# Altium PCB roach2.PcbDoc (part 9 of 39) (continued)
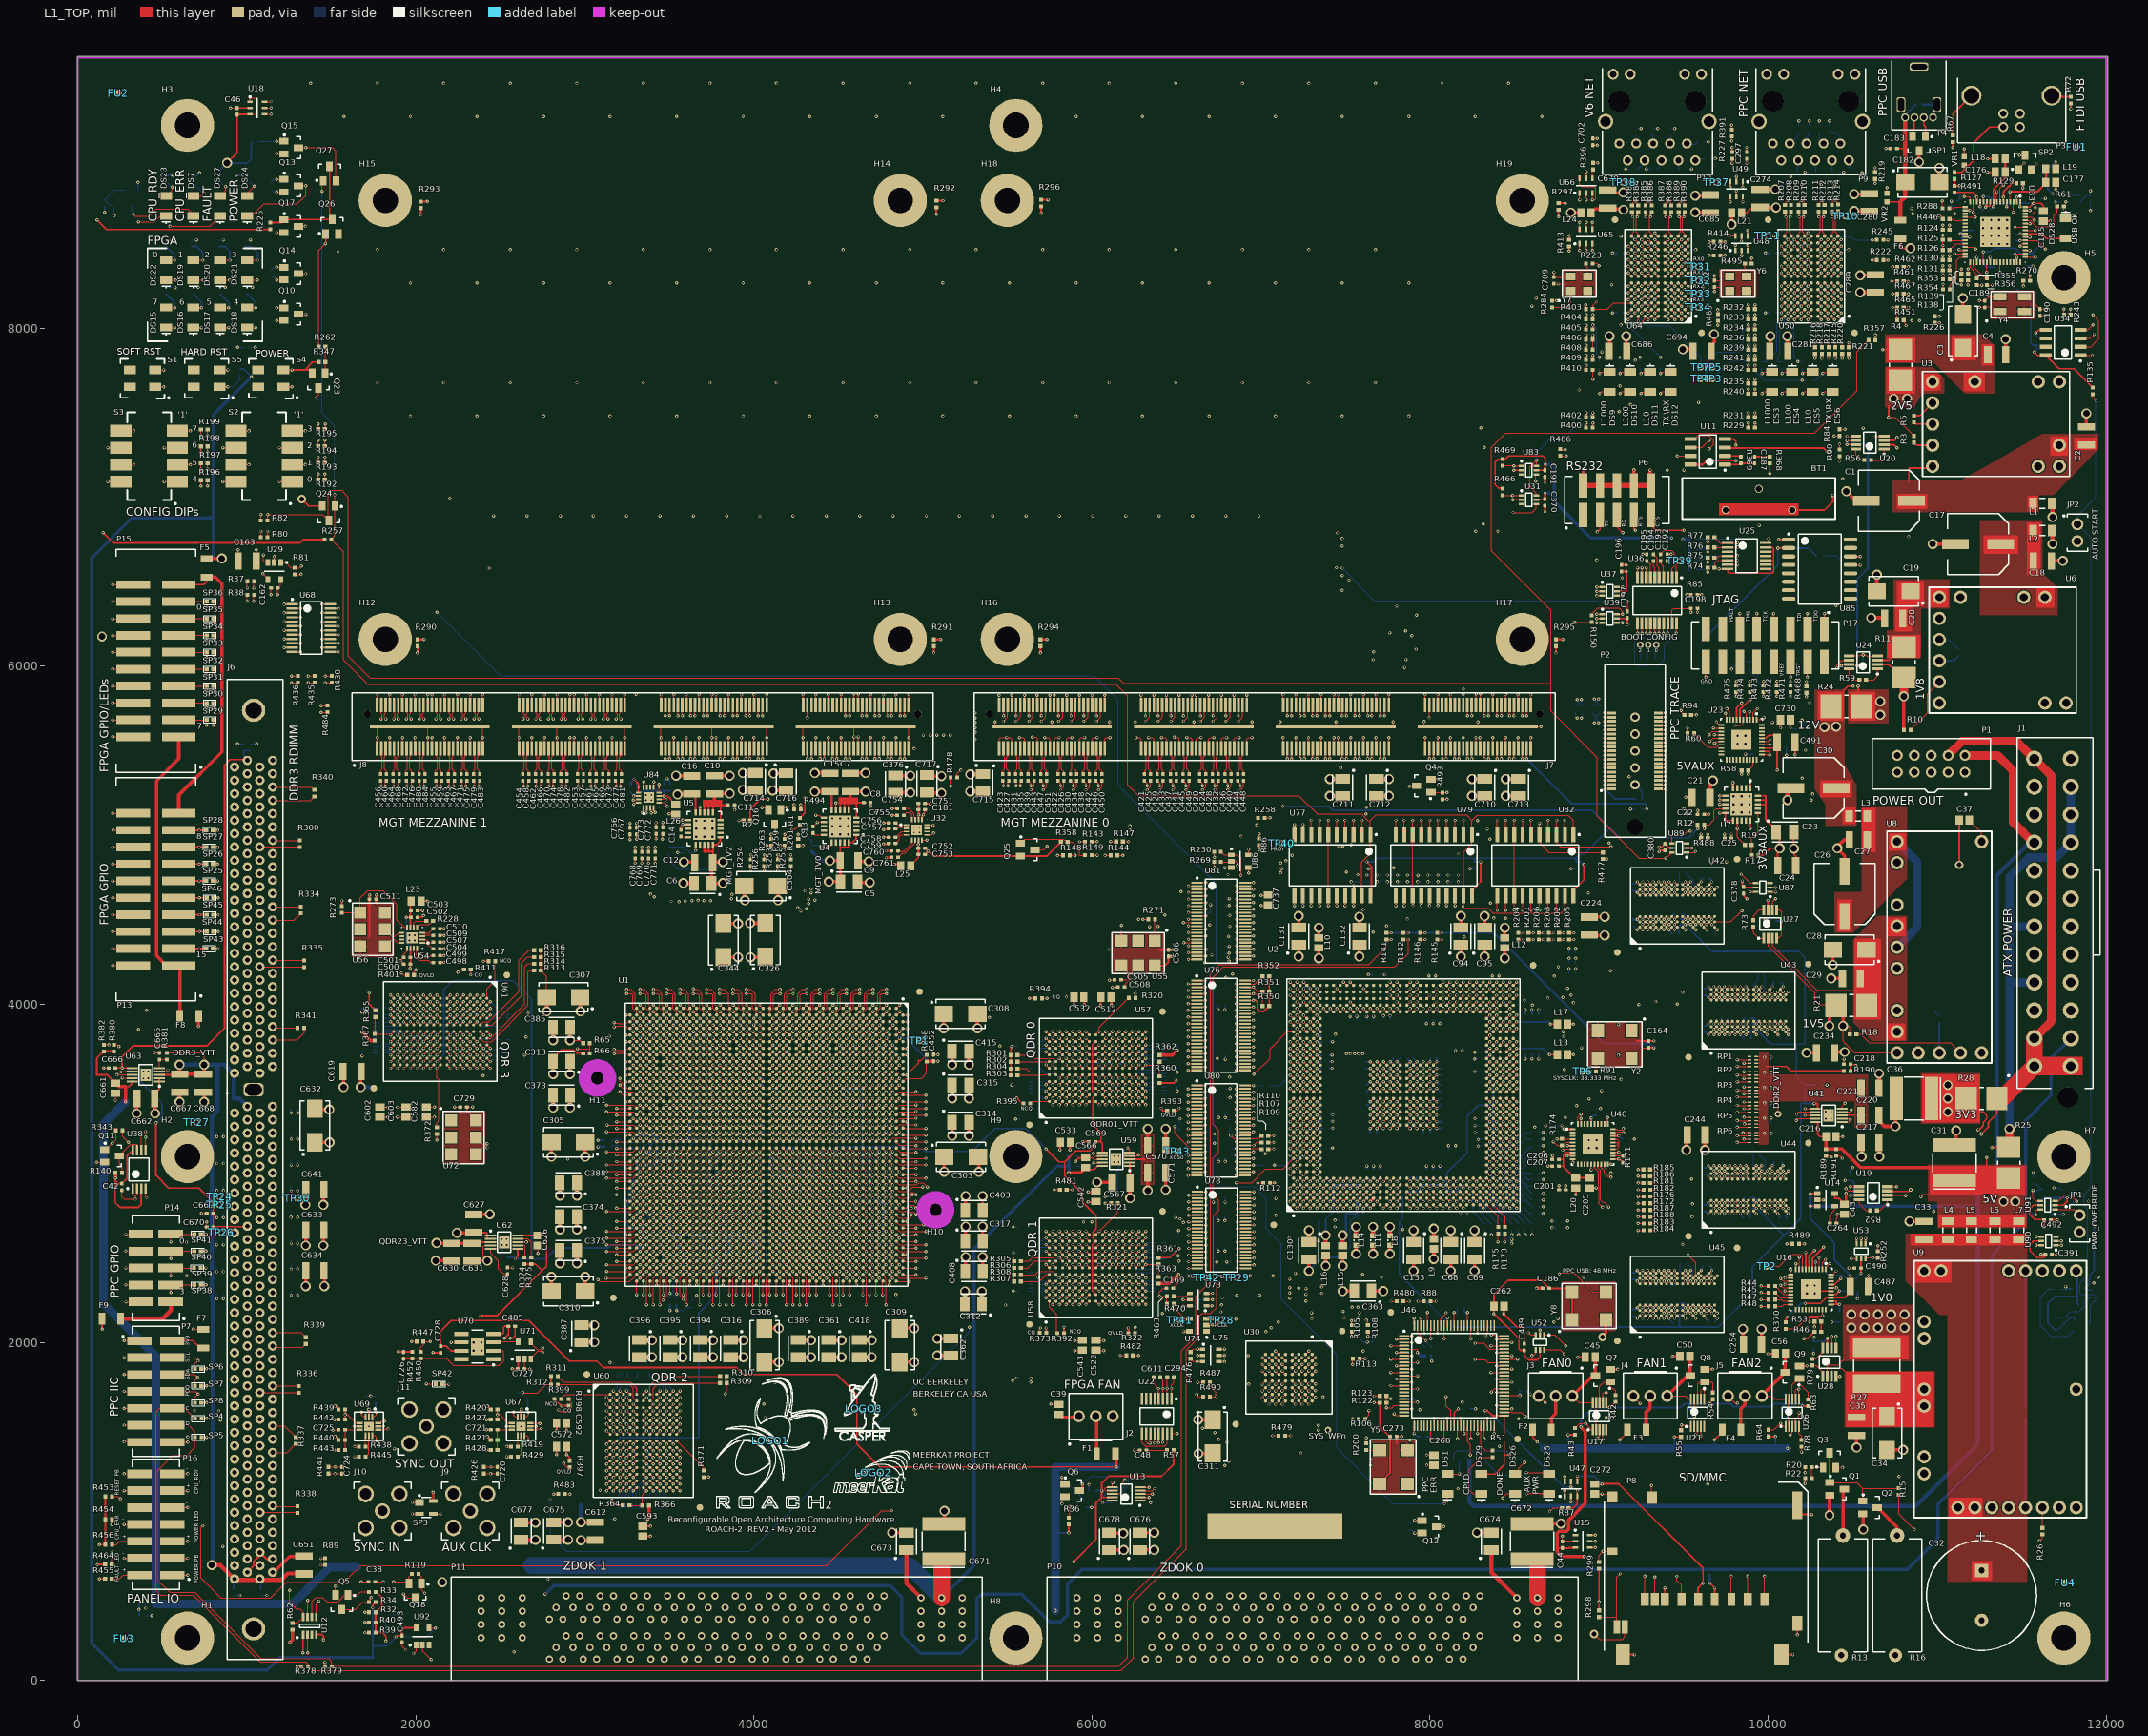
[diagram p0: L1_TOP view]
## Nets (pads, with @x,y where several pads share a name; then routed paths per layer and width w, separated by ;. In a path a pad name is that pad's centre, name@x,y a point inside that pad or via, vN(x,y) a via of type N, cw(c..) or ccw(c..) an arc to the next point about the centre after c; other vN are vias at no path point) (continued)
  L12_S w3.8: v4(9667.32,2173.23) 9651.72,2188.83 9651.72,2218.72 9714.99,2281.99 9714.99,2357.99 10088.58,2731.58 v4(10088.58,2793.31)
  L14_S w3.8: v2(8670.68,3123.31) 8670.68,3141.24 8714.95,3185.51 8714.95,3193.9 8728.79,3207.75 8728.79,3284.85 9046.46,3602.52 9856.78,3602.52 v2(9857.46,3601.83) 9897.83,3601.83 9944.99,3648.99 9944.99,3681.99 10072.69,3809.69 10072.69,3836.47 v4(10088.58,3852.36) 10088.58,3861.8 10072.98,3877.4 10072.98,3933 10009.99,3995.99 10009.99,4217.99 9771.44,4456.54 9683.22,4456.54 v4(9667.32,4472.44)
  L16_BOT w5: R158.2@8642.68,3122.99 8670.36,3122.99 v2(8670.68,3123.31)
DDR2.A8: R159.2 RP2.4 U42.P8 U43.P8 U44.P8 U45.P8 | length 4844.6
  L1_TOP w5: U45.P8@9651.57,2377.95 v4(9667.32,2393.7) ; U42.P8@9651.57,4677.17 v4(9667.32,4692.91) ; v2@9817.31,3542.46 RP2.4@9889.31,3542.46 RP2.4@9897.31,3542.46 ; U44.P8@10072.83,2998.03 v4(10088.58,3013.78) ; U43.P8@10072.83,4057.09 v4(10088.58,4072.83)
  L3_S w3.8: v2(9817.31,3542.78) 9832.99,3527.09 9832.99,3369.15 9854.71,3347.43 9892.49,3347.43 9911.89,3328.04 9911.89,3273.1 10041.49,3143.5 10041.49,3007.32 10050.62,2998.18 10063.55,2998.18 10079.15,3013.78 v4(10088.58,3013.78)
  L8_R w3.8: v4(9667.32,2393.7) 9682.92,2378.1 9752.1,2378.1 10072.69,2698.69 10072.69,2895.1 10104.18,2926.59 10104.18,2998.18 v4(10088.58,3013.78)
  L14_S w3.8: v2(8670.68,3003.31) 8703.31,3003.31 8744.99,3044.99 8744.99,3140.99 8778.99,3174.99 8778.99,3209.35 8879.03,3309.39 8899.45,3309.39 8908.59,3318.53 8908.59,3378.59 8956.59,3426.59 8956.59,3460.59 9035.42,3539.42 v2@9813.95,3539.42 ; v4(9667.32,4692.91) 9683.24,4676.99 9753.99,4676.99 10067.99,4362.99 10067.99,4093.42 v4(10088.58,4072.83) 10088.58,4072.54 10135.68,4025.44 10135.68,3781.62 9900.93,3546.86 9821.39,3546.86 v2(9817.31,3542.78)
  L16_BOT w5: R159.2@8642.68,3002.99 v2@8670.36,3002.99
DDR2.A9: R160.2 RP2.2 U42.P3 U43.P3 U44.P3 U45.P3 | length 4790.5
  L1_TOP w5: U45.P3@9651.57,2220.47 v4(9667.32,2204.72) ; U42.P3@9651.57,4519.68 v4(9667.32,4503.94) ; v2@9816.99,3581.83 9817.31,3581.83 RP2.2@9889.31,3581.83 RP2.2@9897.31,3581.83 ; U44.P3@10072.83,2840.55 v4(10088.58,2824.8) ; U43.P3@10072.83,3899.61 v4(10088.58,3883.86)
  L5_S w3.8: v2(9817.31,3582.15) 9817.31,3580.56 9897.92,3499.95 9940.07,3499.95 9997.02,3442.99 10032.99,3442.99 10118.99,3356.99 10118.99,3049.99 10157.99,3010.99 10157.99,2894.21 v4(10088.58,2824.8)
  L12_S w3.8: v4(9667.32,2204.72) 9737.99,2275.39 9737.99,2350.99 10104.18,2717.18 10104.18,2809.2 v4(10088.58,2824.8)
  L14_S w3.8: v3(8670.68,3083.31) 8766.59,3179.22 8766.59,3217.39 8748.99,3234.99 8748.99,3284.99 8779.39,3315.39 8812.59,3315.39 8882.59,3385.39 8882.59,3422.59 9042.83,3582.83 9353.99,3582.83 ; 9354.99,3582.83 9353.99,3582.83 ; v4(9667.32,4503.94) 9789.05,4503.94 10041.19,4251.79 10041.19,4102.99 10041.49,4102.7 10041.49,4015.5 10088.58,3968.4 v4(10088.58,3883.86) 10088.58,3883.56 10104.18,3867.96 10104.18,3820.18 9996.99,3712.99 9996.99,3665.99 9913.15,3582.15 v2(9817.31,3582.15) 9816.62,3582.83 9353.99,3582.83
  L16_BOT w5: R160.2@8642.68,3082.99 8670.36,3082.99 v3(8670.68,3083.31)
DDR2.A10: R161.2 RP5.3 U42.M2 U43.M2 U44.M2 U45.M2 | length 4959.3
  L1_TOP w5: U45.M2@9588.58,2188.98 v4(9604.33,2173.23) ; U42.M2@9588.58,4488.19 v4(9604.33,4472.44) ; v2@9857.15,3292.15 9859.31,3292.15 RP5.3@9889.31,3292.15 RP5.3@9897.31,3292.15 ; U44.M2@10009.84,2809.06 v4(10025.59,2793.31) ; U43.M2@10009.84,3868.11 v4(10025.59,3852.36)
  L8_R w3.8: v4(9604.33,4472.44) 9604.33,4443.65 9648.99,4398.99 9860.99,4398.99 10030.99,4228.99 10030.99,4128.99 10041.19,4118.79 10041.19,3981.19 10009.99,3949.99 10009.99,3867.96 v4(10025.59,3852.36) 10025.59,3776.59 9952.99,3703.99 9952.99,3386.15 v2(9859.31,3292.46)
  L14_S w3.8: v2(8523.31,2635.31) 8581.59,2693.59 8739.59,2693.59 8774.99,2728.99 8774.99,2752.99 8840.99,2818.99 8878.99,2818.99 8940.99,2880.99 8940.99,2958.99 8980.99,2998.99 8980.99,3032.99 9076.99,3128.99 9076.99,3154.99 9142.99,3220.99 9158.99,3220.99 9230.99,3292.99 9858.78,3292.99 v2(9859.31,3292.46) 9882.52,3292.46 10005.99,3168.99 10005.99,3023.94 10009.69,3020.24 10009.69,2809.2 v4(10025.59,2793.31) 10025.59,2693.59 9916.99,2584.99 9684.99,2584.99 9588.73,2488.73 9588.73,2188.83 v4(9604.33,2173.23)
  L16_BOT w5: R161.2@8522.99,2663.31 8522.99,2635.62 v2(8523.31,2635.31)
DDR2.A11: R162.2 RP1.2 U42.P7 U43.P7 U44.P7 U45.P7 | length 4618.9
  L1_TOP w5: U45.P7@9651.57,2346.46 v4(9667.32,2362.2) ; U42.P7@9651.57,4645.67 v4(9667.32,4661.42) ; v2@9817.31,3671.83 RP1.2@9889.31,3671.83 RP1.2@9897.31,3671.83 ; U44.P7@10072.83,2966.54 v4(10088.58,2982.28) ; U43.P7@10072.83,4025.59 v4(10088.58,4041.34)
  L3_S w3.8: v4(9667.32,2362.2) 9743.2,2362.2 10072.69,2691.69 10072.69,2861.69 10088.58,2877.58 v4(10088.58,2982.28) ; v2(9817.31,3672.15) 9891.15,3745.99 9990.59,3745.99 10041.19,3796.59 10041.19,3883.7 ; 10041.49,3883.99 10041.49,3890.32 10088.58,3937.42 v4(10088.58,4041.34)
  L8_R w3.8: v4(9667.32,4661.42) 9667.32,4645.66 10104.18,4208.8 10104.18,4056.94 v4(10088.58,4041.34) ; v2(9817.31,3672.15) 9822.71,3672.15 9841.86,3652.99 9841.86,3646 9876.99,3610.87 9876.99,3550.99 9864.99,3538.99 9845.99,3538.99 9836.99,3529.99 9836.99,3280.99 9926.99,3190.99 9983.99,3190.99 10072.98,3102 10072.98,2997.88 v4(10088.58,2982.28)
  L14_S w3.8: v2(8670.68,3243.31) 8685.31,3243.31 8700.62,3258.62 8700.62,3308.62 9064.83,3672.83 v2@9816.62,3672.83
  L16_BOT w5: R162.2@8642.68,3242.99 v2@8670.36,3242.99
DDR2.A12: R163.2 RP1.3 U42.R2 U43.R2 U44.R2 U45.R2 | length 4795.7
  L1_TOP w5: U45.R2@9683.07,2188.98 v4(9698.82,2173.23) ; U42.R2@9683.07,4488.19 9779.19,4488.19 v2(9844.99,4553.99) ; v2@9857.15,3652.15 9857.46,3652.15 RP1.3@9889.31,3652.15 RP1.3@9897.31,3652.15 ; U44.R2@10104.33,2809.06 v4(10120.08,2793.31) ; U43.R2@10104.33,3868.11 v4(10120.08,3852.36)
  L3_S w3.8: v2(9857.46,3652.46) 9926.99,3721.99 10044.99,3721.99 10087.99,3764.99 10087.99,3820.28 v4(10120.08,3852.36)
  L5_S w3.8: v2(9857.46,3652.46) 9895.58,3652.46 10034.59,3513.45 10034.59,3507.39 10147.99,3393.99 10147.99,3091.99 10192.99,3046.99 10192.99,2866.22 v4(10120.08,2793.31)
  L12_S w3.8: v4(9698.82,2173.23) 9767.99,2242.4 9767.99,2344.99 10135.68,2712.68 10135.68,2777.71 v4(10120.08,2793.31) ; v2(9844.99,4553.99) 10062.81,4336.17 10062.81,4309.17 10120.08,4251.91 10120.08,4104.03 10104.48,4088.43 10104.48,4066.37 10120.08,4050.77 v4(10120.08,3852.36)
  L14_S w3.8: v2(8670.68,3203.31) 8712.99,3245.62 8712.99,3302.99 9063.15,3653.15 9856.78,3653.15 v2(9857.46,3652.46)
  L16_BOT w5: R163.2@8642.68,3202.99 8670.36,3202.99 v2(8670.68,3203.31)
DDR2.A13: R164.2 RP4.3 U42.R8 U43.R8 U44.R8 U45.R8 | length 5232.2
  L1_TOP w5: U45.R8@9683.07,2377.95 v4(9698.82,2393.7) ; U42.R8@9683.07,4677.17 v4(9698.82,4692.91) ; v2@9857.46,3382.15 RP4.3@9889.31,3382.15 RP4.3@9897.31,3382.15 ; U44.R8@10104.33,2998.03 v4(10120.08,3013.78) ; U43.R8@10104.33,4057.09 v4(10120.08,4072.83)
  L3_S w3.8: v2(9857.46,3382.46) 10049.46,3382.46 10142.99,3475.99 10142.99,3898.99 10120.08,3921.91 v4(10120.08,4072.83)
  L12_S w3.8: v4(9698.82,2393.7) 9698.82,2419.82 9825.99,2546.99 9885.99,2546.99 10072.69,2733.69 10072.69,2861.69 10120.08,2909.08 v4(10120.08,3013.78) 10120.08,3182.91 10007.99,3294.99 9944.94,3294.99 v2(9857.46,3382.46)
  L14_S w3.8: v3(8323.31,2635.31) 8434.99,2746.99 8690.99,2746.99 8870.99,2926.99 8870.99,3010.99 8984.99,3124.99 8992.99,3124.99 9006.99,3138.99 9006.99,3222.99 9038.99,3254.99 9038.99,3294.99 9126.99,3382.99 v2@9856.94,3382.99 ; v4(9698.82,4692.91) 9767.01,4692.91 9974.53,4485.39 9976.59,4485.39 10120.08,4341.91 v4(10120.08,4072.83)
  L16_BOT w5: v3@8322.99,2635.62 R164.2@8322.99,2663.31
DDR2.BA0: R165.2 RP5.2 U42.L2 U43.L2 U44.L2 U45.L2 | length 5110.6
  L1_TOP w5: U45.L2@9557.09,2188.98 v4(9572.83,2173.23) ; U42.L2@9557.09,4488.19 v4(9572.83,4472.44) ; v2@9816.99,3311.83 9817.31,3311.83 RP5.2@9889.31,3311.83 RP5.2@9897.31,3311.83 ; U44.L2@9978.35,2809.06 v4(9994.09,2793.31) ; U43.L2@9978.35,3868.11 v4(9994.09,3852.36)
  L5_S w3.8: v2(9817.31,3312.15) 9790.99,3338.46 9790.99,3678.99 9865.99,3753.99 9898.02,3753.99 9994.09,3850.06 v4(9994.09,3852.36)
  L9_R w3.8: v4(9572.83,4472.44) 9886.28,4158.99 9993.99,4158.99 10041.19,4111.79 10041.19,3976.19 10009.69,3944.69 10009.69,3867.96 v4(9994.09,3852.36)
  L12_S w3.8: v4(9572.83,2173.23) 9588.73,2189.12 9588.73,2227.73 9651.72,2290.72 9651.72,2465.72 9776.99,2590.99 9858.99,2590.99 10009.69,2741.69 10009.69,2777.71 v4(9994.09,2793.31) 10009.69,2808.91 10009.69,2886.69 10072.69,2949.69 10072.69,3105.3 9865.84,3312.15 v2(9817.31,3312.15)
  L14_S w3.8: v2(8482.99,2608.99) 8502.99,2628.99 8502.99,2656.99 8548.39,2702.39 8728.45,2702.39 8756.99,2730.93 8756.99,2760.99 8834.99,2838.99 8872.99,2838.99 8924.99,2890.99 8924.99,2964.99 8968.99,3008.99 8968.99,3042.99 9060.99,3134.99 9060.99,3192.99 9094.99,3226.99 9094.99,3262.99 9144.83,3312.83 9816.62,3312.83 v2(9817.31,3312.15)
  L16_BOT w5: R165.2@8442.99,2663.31 8442.99,2648.99 v2(8482.99,2608.99)
DDR2.BA1: R166.2 RP5.1 U42.L3 U43.L3 U44.L3 U45.L3 | length 5017.1
  L1_TOP w5: U45.L3@9557.09,2220.47 v4(9572.83,2204.72) ; U42.L3@9557.09,4519.68 v4(9572.83,4503.94) ; v2@9857.15,3331.52 9857.46,3331.52 RP5.1@9889.31,3331.52 RP5.1@9897.31,3331.52 ; U44.L3@9978.35,2840.55 v4(9994.09,2824.8) ; U43.L3@9978.35,3899.61 v4(9994.09,3883.86)
  L3_S w3.8: v4(9572.83,2204.72) 9572.83,2340.14 9588.43,2355.74 9588.43,2437.43 9692.88,2541.88 9796.88,2541.88 9974.99,2719.99 9974.99,2720.65 10009.69,2755.35 10009.69,2768.27 10000.56,2777.41 9987.93,2777.41 9978.49,2786.85 9978.49,2809.2 v4(9994.09,2824.8)
  L5_S w3.8: v2(9857.46,3331.83) 9890.99,3298.31 9890.99,2927.91 v4(9994.09,2824.8)
  L12_S w3.8: v4(9572.83,4503.94) 9572.83,4501.15 9588.73,4485.25 9588.73,4465.98 9642.72,4411.99 9770.99,4411.99 10009.69,4173.29 10009.69,4034.88 9994.09,4019.28 v4(9994.09,3883.86) 9994.09,3883.56 9978.49,3867.96 9978.49,3709.49 9899.99,3630.99 9844.99,3630.99 9823.99,3609.99 9812.99,3609.99 9787.99,3584.99 9787.99,3409.4 9810.84,3386.55 9815.6,3386.55 9832.91,3369.24 9832.91,3356.39 v2(9857.46,3331.83)
  L14_S w3.8: v2(8483.31,2635.31) 8483.31,2687.31 8522.99,2726.99 8702.99,2726.99 8832.96,2856.96 8869.61,2856.96 8908.99,2896.34 8908.99,3002.99 9044.99,3138.99 9044.99,3204.99 9076.99,3236.99 9076.99,3274.99 9134.52,3332.52 9856.78,3332.52 v2(9857.46,3331.83)
  L16_BOT w5: R166.2@8482.99,2663.31 8482.99,2635.62 v2(8483.31,2635.31)
DDR2.BA2: R167.2 RP1.4 U42.L1 U43.L1 U44.L1 U45.L1 | length 4675.6
  L1_TOP w5: U45.L1@9557.09,2157.48 v4(9572.83,2141.73) ; U42.L1@9557.09,4456.69 v4(9572.83,4440.94) ; v2@9816.99,3632.46 9817.31,3632.46 RP1.4@9889.31,3632.46 RP1.4@9897.31,3632.46 ; U44.L1@9978.35,2777.56 v4(9994.09,2761.81) ; U43.L1@9978.35,3836.61 v4(9994.09,3820.87)
  L3_S w3.8: v4(9572.83,2141.73) 9557.23,2157.33 9557.23,2454.23 9675.99,2572.99 9805.28,2572.99 v4(9994.09,2761.81)
  L8_R w3.8: v2(9817.31,3632.78) 9759.99,3575.46 9759.99,3187.99 9901.99,3045.99 9901.99,2794.99 9919.57,2777.41 9978.49,2777.41 v4(9994.09,2761.81)
  L14_S w3.8: v2(8670.68,3163.31) 8720.99,3213.62 8720.99,3294.99 9059.46,3633.46 9816.62,3633.46 v2(9817.31,3632.78) 9892.78,3632.78 9915.99,3655.99 9915.99,3714.99 9994.09,3793.09 v4(9994.09,3820.87) 9978.49,3836.47 9978.49,4170.49 9817.99,4330.99 9682.79,4330.99 v4(9572.83,4440.94)
  L16_BOT w5: R167.2@8642.68,3162.99 8670.36,3162.99 v2(8670.68,3163.31)
DDR2.CASN: R169.2 RP4.4 U42.L7 U43.L7 U44.L7 U45.L7 | length 5132
  L1_TOP w5: U45.L7@9557.09,2346.46 v4(9572.83,2362.2) ; U42.L7@9557.09,4645.67 v4(9572.83,4661.42) ; v2@9816.99,3362.46 9817.31,3362.46 RP4.4@9889.31,3362.46 RP4.4@9897.31,3362.46 ; U44.L7@9978.35,2966.54 v4(9994.09,2982.28) ; U43.L7@9978.35,4025.59 v4(9994.09,4041.34)
  L3_S w3.8: v2(9817.31,3362.78) 9817.31,3350.21 9834.99,3332.52 9834.99,3294.72 9852.84,3276.86 9857.12,3276.86 9942.99,3190.99 9975.99,3190.99 10009.69,3157.29 10009.69,2997.88 v4(9994.09,2982.28)
  L12_S w3.8: v4(9572.83,2362.2) 9572.83,2362.5 9557.23,2378.1 9557.23,2485.23 9735.99,2663.99 9822.99,2663.99 9915.5,2756.5 9915.5,2844.5 9994.09,2923.09 v4(9994.09,2982.28) ; v4(9572.83,4661.42) 9525.74,4614.32 9525.74,4436.25 9579.99,4381.99 9759.99,4381.99 9978.49,4163.49 9978.49,4056.94 v4(9994.09,4041.34) 9898.99,3946.24 9898.99,3815.99 9775.99,3692.99 9775.99,3404.09 v2(9817.31,3362.78)
  L14_S w3.8: v2(8363.31,2635.31) 8464.99,2736.99 8694.99,2736.99 8890.99,2932.99 8890.99,3004.99 9022.99,3136.99 9022.99,3212.99 9058.99,3248.99 9058.99,3282.99 9139.46,3363.46 9816.62,3363.46 v2(9817.31,3362.78)
  L16_BOT w5: R169.2@8362.99,2663.31 8362.99,2635.62 v2(8363.31,2635.31)
DDR2.CKE: R287.2 RP2.3 U42.K2 U43.K2 U44.K2 U45.K2 | length 4493.2
  L1_TOP w5: U45.K2@9525.59,2188.98 v4(9541.34,2173.23) ; U42.K2@9525.59,4488.19 v4(9541.34,4472.44) ; v2@9857.46,3562.15 RP2.3@9889.31,3562.15 RP2.3@9897.31,3562.15 ; U44.K2@9946.85,2809.06 v4(9962.6,2793.31) ; U43.K2@9946.85,3868.11 v4(9962.6,3852.36)
  L3_S w3.8: v2@9857.46,3564.05 9801.71,3619.81 9801.71,3678.61 9876.89,3753.79 9894.79,3753.79 9962.6,3821.6 v4(9962.6,3852.36)
  L8_R w3.8: v4(9541.34,4472.44) 9541.34,4354.65 9596.99,4298.99 9812.99,4298.99 9913.99,4197.99 9913.99,3949.99 9947,3916.99 9947,3877.4 9962.6,3861.8 v4(9962.6,3852.36) ; v2(9857.46,3562.46) 9804.46,3562.46 9792.99,3550.99 9792.99,3174.99 9827.99,3139.99 9929.99,3139.99 9947,3122.99 9947,2808.91 v4(9962.6,2793.31)
  L12_S w3.8: v4(9541.34,2173.23) 9557.23,2189.12 9557.23,2211.19 9588.73,2242.68 9588.73,2486.73 9741.99,2639.99 9834.99,2639.99 9962.6,2767.6 v4(9962.6,2793.31)
  L14_S w3.8: v2(8778.99,3282.99) 8798.99,3282.99 8892.99,3376.99 8892.99,3415.05 9048.56,3570.62 9137.42,3570.62 9144.9,3563.15 v2@9856.78,3563.15
  L16_BOT w5: R287.2@8752.68,3282.99 v2(8778.99,3282.99)
DDR2.CLK_N0: R177.2 U40.40 U42.K8 | length 2885.5
  L1_TOP w5: U40.40@8874.41,3292.09 8874.41,3332.41 v2(8892.99,3350.99) ; U42.K8@9525.59,4677.17 v4(9541.34,4692.91)
  L12_S w3.8: v2(8892.99,3350.99) 8892.99,3542.99 8938.99,3588.99 8938.99,3968.02 9114.99,4144.02 9114.99,4266.99 ccw(c9110.59,4266.99) 9110.59,4271.39 9070.56,4271.39 cw(c9070.56,4283.59) 9070.56,4295.79 9167.22,4295.79 ccw(c9167.22,4300.19) 9171.62,4300.19 ccw(c9167.22,4300.19) 9167.22,4304.59 9070.56,4304.59 cw(c9070.56,4316.79) 9070.56,4328.99 9167.22,4328.99 ccw(c9167.22,4333.39) 9171.62,4333.39 ccw(c9167.22,4333.39) 9167.22,4337.79 9070.56,4337.79 cw(c9070.56,4349.99) 9070.56,4362.19 9167.22,4362.19 ccw(c9167.22,4366.59) 9171.62,4366.59 ccw(c9167.22,4366.59) 9167.22,4370.99 9077.02,4370.99 cw(c9077.02,4383.19) 9077.02,4395.39 9110.59,4395.39 ccw(c9110.59,4399.79) 9114.99,4399.79 9114.99,4722.02 9169.76,4776.79 9478.22,4776.79 9506.02,4748.99 9518.99,4748.99 9525.74,4742.25 9525.74,4708.81 9541.34,4693.21 v4(9541.34,4692.91)
  L16_BOT w5: R177.2@9516.15,4776.22 9516.15,4772.51 9557.54,4731.12 9557.54,4709.11 v4(9541.34,4692.91)
DDR2.CLK_N1: R178.2 U40.30 U43.K8 | length 2858
  L1_TOP w5: U40.30@9082.09,3261.57 9102.99,3261.57 9107.33,3257.23 9135.79,3257.23 v2(9142.99,3264.43) ; U43.K8@9946.85,4057.09 v4(9962.6,4072.83)
  L3_S w3.8: v2(9142.99,3264.43) 9130.99,3276.43 9130.99,3402.99 9300.79,3572.79 9300.79,3662.79 9328.99,3690.99 9440.99,3690.99 9474.79,3657.19 9500.99,3657.19 ccw(c9500.99,3669.39) 9513.19,3669.39 9513.19,3692.69 cw(c9517.59,3692.69) 9521.99,3692.69 9521.99,3609.69 ccw(c9534.19,3609.69) 9546.39,3609.69 9546.39,3692.69 cw(c9550.79,3692.69) 9555.19,3692.69 9555.19,3609.69 ccw(c9567.39,3609.69) 9579.59,3609.69 9579.59,3692.69 cw(c9583.99,3692.69) 9588.39,3692.69 9588.39,3609.69 ccw(c9600.59,3609.69) 9612.79,3609.69 9612.79,3692.69 cw(c9617.19,3692.69) 9621.59,3692.69 9621.59,3609.69 ccw(c9633.79,3609.69) 9645.99,3609.69 9645.99,3692.69 cw(c9650.39,3692.69) 9654.79,3692.69 9654.79,3609.69 ccw(c9666.99,3609.69) 9679.19,3609.69 9679.19,3692.69 cw(c9683.59,3692.69) 9687.99,3692.69 9687.99,3609.69 ccw(c9700.19,3609.69) 9712.39,3609.69 9712.39,3692.69 cw(c9716.79,3692.69) 9721.19,3692.69 9721.19,3669.39 ccw(c9733.39,3669.39) 9733.39,3657.19 9751.96,3657.19 9891.51,3796.74 9891.51,4049.51 9898.99,4056.99 9946.76,4056.99 v4(9962.6,4072.83)
  L16_BOT w5: v4(9962.6,4072.83) 9982.68,4092.91 R178.2@9982.68,4177.99
DDR2.CLK_N2: R179.2 U40.18 U44.K8 | length 2905.6
  L1_TOP w5: U40.18@9012.2,3053.9 9012.2,3032.99 9031.99,3013.2 9031.99,2996.44 9044.44,2983.99 9063.79,2983.99 v2(9070.99,2976.79) ; U44.K8@9946.85,2998.03 v4(9962.6,3013.78)
  L3_S w3.8: v2@9070.99,2984.59 v2(9070.99,2976.79) 9079.79,2985.59 9110.62,2985.59 9202.02,3076.99 9239.41,3076.99 ccw(c9239.41,3089.19) 9251.61,3089.19 9251.61,3170.72 cw(c9256.01,3170.72) 9260.41,3170.72 9260.41,3089.19 ccw(c9272.61,3089.19) 9284.81,3089.19 9284.81,3170.72 cw(c9289.21,3170.72) 9293.61,3170.72 9293.61,3089.19 ccw(c9305.81,3089.19) 9318.01,3089.19 9318.01,3170.72 cw(c9322.41,3170.72) 9326.81,3170.72 9326.81,3089.19 ccw(c9339.01,3089.19) 9351.21,3089.19 9351.21,3170.72 cw(c9355.61,3170.72) 9360.01,3170.72 9360.01,3089.19 ccw(c9372.21,3089.19) 9384.41,3089.19 9384.41,3170.72 cw(c9388.81,3170.72) 9393.21,3170.72 9393.21,3089.19 ccw(c9405.41,3089.19) 9417.61,3089.19 9417.61,3170.72 cw(c9422.01,3170.72) 9426.41,3170.72 9426.41,3089.19 ccw(c9438.61,3089.19) 9450.81,3089.19 9450.81,3170.72 cw(c9455.21,3170.72) 9459.61,3170.72 9459.61,3089.19 ccw(c9471.81,3089.19) 9484.01,3089.19 9484.01,3098.03 cw(c9488.41,3098.03) 9492.81,3098.03 9492.81,3089.19 ccw(c9505.01,3089.19) 9505.01,3076.99 9538.21,3076.99 ccw(c9538.21,3089.19) 9550.41,3089.19 9550.41,3107.17 cw(c9554.81,3107.17) 9559.21,3107.17 9559.21,3089.19 ccw(c9571.41,3089.19) 9583.61,3089.19 9583.61,3108.76 cw(c9588.01,3108.76) 9592.41,3108.76 9592.41,3089.19 ccw(c9604.61,3089.19) 9604.61,3076.99 9637.81,3076.99 ccw(c9637.81,3089.19) 9650.01,3089.19 9650.01,3097.18 cw(c9654.41,3097.18) 9658.81,3097.18 9658.81,3089.19 ccw(c9671.01,3089.19) 9683.21,3089.19 9683.21,3170.72 cw(c9687.61,3170.72) 9692.01,3170.72 9692.01,3089.19 ccw(c9704.21,3089.19) 9704.21,3076.99 9842.99,3076.99 9856.99,3062.99 9890.99,3062.99 9902.99,3050.99 9902.99,3019.83 9924.94,2997.88 9946.7,2997.88 v4(9962.6,3013.78)
  L16_BOT w5: R179.2@9937.68,3117.99 9982.99,3072.68 9982.99,3034.17 v4(9962.6,3013.78)
DDR2.CLK_N3: R180.2 U40.17 U45.K8 | length 2868.1
  L1_TOP w5: U40.17@8992.52,3053.9 8992.52,3032.99 9008.99,3016.52 9008.99,2990.19 9009.1,2990.09 9009.1,2842.89 9024.99,2826.99 9030.99,2826.99 v2(9056.99,2800.99) ; U45.K8@9525.59,2377.95 v4(9541.34,2393.7)
  L14_S w3.8: v2(9056.99,2800.99) 9056.99,2774.02 9120.79,2710.22 9120.79,2658.99 9262.79,2516.99 9283.58,2516.99 cw(c9283.58,2504.79) 9295.78,2504.79 9295.78,2459.01 ccw(c9300.18,2459.01) 9304.58,2459.01 9304.58,2633.11 cw(c9316.78,2633.11) 9328.98,2633.11 9328.98,2458.22 ccw(c9333.38,2458.22) 9337.78,2458.22 9337.78,2631.93 cw(c9349.98,2631.93) 9362.18,2631.93 9362.18,2457.28 ccw(c9366.58,2457.28) 9370.98,2457.28 9370.98,2696.59 cw(c9383.18,2696.59) 9395.38,2696.59 9395.38,2456.42 ccw(c9399.78,2456.42) 9404.18,2456.42 9404.18,2696.59 cw(c9416.38,2696.59) 9428.58,2696.59 9428.58,2521.39 ccw(c9432.98,2521.39) 9432.98,2516.99 9482.22,2516.99 9494.79,2504.42 9494.79,2452.99 9506.99,2440.8 9516.3,2440.8 9525.44,2431.66 9525.44,2409.6 v4(9541.34,2393.7)
  L16_BOT w5: R180.2@9520.32,2468.97 9520.47,2468.97 9557.54,2431.91 9557.54,2409.9 v4(9541.34,2393.7)
DDR2.CLK_P0: R177.1 U40.39 U42.J8 | length 2834.5
  L1_TOP w5: v2(8892.99,3324.99) 8894.09,3323.89 U40.39@8894.09,3292.09 ; U42.J8@9494.09,4677.17 v4(9509.84,4692.91)
  L12_S w3.8: v2(8892.99,3324.99) 8892.99,3328.93 8908.59,3344.53 8908.59,3357.45 8900.79,3365.25 8900.79,3539.76 8946.79,3585.76 8946.79,3964.79 9122.79,4140.79 9122.79,4266.99 ccw(c9110.59,4266.99) 9110.59,4279.19 9070.56,4279.19 cw(c9070.56,4283.59) 9070.56,4287.99 9167.22,4287.99 ccw(c9167.22,4300.19) 9179.42,4300.19 ccw(c9167.22,4300.19) 9167.22,4312.39 9070.56,4312.39 cw(c9070.56,4316.79) 9070.56,4321.19 9167.22,4321.19 ccw(c9167.22,4333.39) 9179.42,4333.39 ccw(c9167.22,4333.39) 9167.22,4345.59 9070.56,4345.59 cw(c9070.56,4349.99) 9070.56,4354.39 9167.22,4354.39 ccw(c9167.22,4366.59) 9179.42,4366.59 ccw(c9167.22,4366.59) 9167.22,4378.79 9077.02,4378.79 cw(c9077.02,4383.19) 9077.02,4387.59 9110.59,4387.59 ccw(c9110.59,4399.79) 9122.79,4399.79 9122.79,4718.79 9172.99,4768.99 9474.99,4768.99 9480.99,4762.99 9480.99,4721.76 v4(9509.84,4692.91)
  L16_BOT w5: R177.1@9476.78,4776.22 9476.78,4725.98 v4(9509.84,4692.91)
DDR2.CLK_P1: R178.1 U40.29 U43.J8 | length 2862
  L1_TOP w5: U40.29@9082.09,3241.89 9102.99,3241.89 9107.33,3246.23 9135.79,3246.23 ; U43.J8@9915.35,4057.09 v4(9931.1,4072.83)
  L3_S w3.8: v2@9142.99,3242.37 9123.19,3262.17 9123.19,3406.22 9292.99,3576.02 9292.99,3666.02 9325.76,3698.79 9444.22,3698.79 9478.02,3664.99 9500.99,3664.99 ccw(c9500.99,3669.39) 9505.39,3669.39 9505.39,3692.69 cw(c9517.59,3692.69) 9529.79,3692.69 9529.79,3609.69 ccw(c9534.19,3609.69) 9538.59,3609.69 9538.59,3692.69 cw(c9550.79,3692.69) 9562.99,3692.69 9562.99,3609.69 ccw(c9567.39,3609.69) 9571.79,3609.69 9571.79,3692.69 cw(c9583.99,3692.69) 9596.19,3692.69 9596.19,3609.69 ccw(c9600.59,3609.69) 9604.99,3609.69 9604.99,3692.69 cw(c9617.19,3692.69) 9629.39,3692.69 9629.39,3609.69 ccw(c9633.79,3609.69) 9638.19,3609.69 9638.19,3692.69 cw(c9650.39,3692.69) 9662.59,3692.69 9662.59,3609.69 ccw(c9666.99,3609.69) 9671.39,3609.69 9671.39,3692.69 cw(c9683.59,3692.69) 9695.79,3692.69 9695.79,3609.69 ccw(c9700.19,3609.69) 9704.59,3609.69 9704.59,3692.69 cw(c9716.79,3692.69) 9728.99,3692.69 9728.99,3669.39 ccw(c9733.39,3669.39) 9733.39,3664.99 9748.73,3664.99 9883.71,3799.97 9883.71,4052.74 9903.8,4072.83 v4(9931.1,4072.83)
  L16_BOT w5: v4(9931.1,4072.83) 9931.1,4081.42 9914.9,4097.62 9914.9,4112.9 9943.31,4141.31 R178.1@9943.31,4177.99 R178.1@9942.99,4177.68
  other v2: 9142.99,3239.03
DDR2.CLK_P2: R179.1 U40.19 U44.J8 | length 2814.4
  L1_TOP w5: U40.19@9031.89,3053.9 9031.89,3032.99 9042.99,3021.89 9042.99,3000.99 9048.99,2994.99 9063.79,2994.99 v2(9070.99,3002.19) ; U44.J8@9915.35,2998.03 v4(9931.1,3013.78)
  L3_S w3.8: v2(9070.99,3002.19) 9079.79,2993.39 9107.39,2993.39 9198.79,3084.79 9239.41,3084.79 ccw(c9239.41,3089.19) 9243.81,3089.19 9243.81,3170.72 cw(c9256.01,3170.72) 9268.21,3170.72 9268.21,3089.19 ccw(c9272.61,3089.19) 9277.01,3089.19 9277.01,3170.72 cw(c9289.21,3170.72) 9301.41,3170.72 9301.41,3089.19 ccw(c9305.81,3089.19) 9310.21,3089.19 9310.21,3170.72 cw(c9322.41,3170.72) 9334.61,3170.72 9334.61,3089.19 ccw(c9339.01,3089.19) 9343.41,3089.19 9343.41,3170.72 cw(c9355.61,3170.72) 9367.81,3170.72 9367.81,3089.19 ccw(c9372.21,3089.19) 9376.61,3089.19 9376.61,3170.72 cw(c9388.81,3170.72) 9401.01,3170.72 9401.01,3089.19 ccw(c9405.41,3089.19) 9409.81,3089.19 9409.81,3170.72 cw(c9422.01,3170.72) 9434.21,3170.72 9434.21,3089.19 ccw(c9438.61,3089.19) 9443.01,3089.19 9443.01,3170.72 cw(c9455.21,3170.72) 9467.41,3170.72 9467.41,3089.19 ccw(c9471.81,3089.19) 9476.21,3089.19 9476.21,3098.03 cw(c9488.41,3098.03) 9500.61,3098.03 9500.61,3089.19 ccw(c9505.01,3089.19) 9505.01,3084.79 9538.21,3084.79 ccw(c9538.21,3089.19) 9542.61,3089.19 9542.61,3107.17 cw(c9554.81,3107.17) 9567.01,3107.17 9567.01,3089.19 ccw(c9571.41,3089.19) 9575.81,3089.19 9575.81,3108.76 cw(c9588.01,3108.76) 9600.21,3108.76 9600.21,3089.19 ccw(c9604.61,3089.19) 9604.61,3084.79 9637.81,3084.79 ccw(c9637.81,3089.19) 9642.21,3089.19 9642.21,3097.18 cw(c9654.41,3097.18) 9666.61,3097.18 9666.61,3089.19 ccw(c9671.01,3089.19) 9675.41,3089.19 9675.41,3170.72 cw(c9687.61,3170.72) 9699.81,3170.72 9699.81,3089.19 ccw(c9704.21,3089.19) 9704.21,3084.79 9846.22,3084.79 9860.22,3070.79 9894.22,3070.79 9910.79,3054.22 9910.79,3034.09 v4(9931.1,3013.78)
  L16_BOT w5: R179.1@9898.31,3117.99 9914.9,3101.4 9914.9,3029.98 v4(9931.1,3013.78)
DDR2.CLK_P3: R180.1 U40.16 U45.J8 | length 2851.9
  L1_TOP w5: U40.16@8972.83,3053.9 8972.83,3032.99 8997.99,3007.83 8997.99,2922.44 9000.1,2920.33 9000.1,2819.89 v2(9020.99,2798.99) ; U45.J8@9494.09,2377.95 v4(9509.84,2393.7)
  L14_S w3.8: v2(9020.99,2798.99) 9112.99,2706.99 9112.99,2655.76 9259.56,2509.19 9283.58,2509.19 cw(c9283.58,2504.79) 9287.98,2504.79 9287.98,2459.01 ccw(c9300.18,2459.01) 9312.38,2459.01 9312.38,2633.11 cw(c9316.78,2633.11) 9321.18,2633.11 9321.18,2458.22 ccw(c9333.38,2458.22) 9345.58,2458.22 9345.58,2631.93 cw(c9349.98,2631.93) 9354.38,2631.93 9354.38,2457.28 ccw(c9366.58,2457.28) 9378.78,2457.28 9378.78,2696.59 cw(c9383.18,2696.59) 9387.58,2696.59 9387.58,2456.42 ccw(c9399.78,2456.42) 9411.98,2456.42 9411.98,2696.59 cw(c9416.38,2696.59) 9420.78,2696.59 9420.78,2521.39 ccw(c9432.98,2521.39) 9432.98,2509.19 9478.99,2509.19 9486.99,2501.19 9486.99,2402.99 9496.28,2393.7 v4(9509.84,2393.7)
  L16_BOT w5: R180.1@9480.95,2468.97 9480.95,2422.59 v4(9509.84,2393.7)
DDR2.CLKOUT_N: R175.1 U2.AK1 | length 158.8
  L1_TOP w5: U2.AK1@8335.12,2813.39 8402.99,2745.51 R175.1@8402.99,2682.68
DDR2.CLKOUT_P: R173.1 U2.AL1 | length 159.3
  L1_TOP w5: U2.AL1@8374.49,2813.39 8443.31,2744.57 8443.31,2682.99 R173.1@8442.99,2682.68
DDR2.CLKOUTR_N: R174.1 R175.2 U40.5 | length 1156.3
  L1_TOP w5: v2(8402.99,2594.99) R175.2@8402.99,2643.31 ; v2(8730.55,3187.44) 8754.68,3163.31 8782.99,3163.31 8783.31,3163.31 8802.83,3182.83 U40.5@8843.9,3182.83
  L9_R w3.8: v2(8402.99,2594.99) 8416.99,2580.99 8416.99,2567.76 8429.56,2555.19 8548.22,2555.19 8586.71,2593.68 8586.71,3168.71 8636.91,3218.91 8699.08,3218.91 v2(8730.55,3187.44)
DDR2.CLKOUTR_P: R173.2 R174.2 U40.4 | length 1124.1
  L1_TOP w5: v2(8440.99,2594.99) 8442.99,2596.99 R173.2@8442.99,2643.31 ; v2(8750.99,3202.99) 8751.31,3202.68 8782.99,3202.68 8783.15,3202.52 U40.4@8843.9,3202.52
  L9_R w3.8: v2(8440.99,2594.99) 8424.79,2578.79 8424.79,2570.99 8432.79,2562.99 8544.99,2562.99 8578.91,2596.91 8578.91,3171.94 8633.68,3226.71 8727.28,3226.71 v2(8750.99,3202.99)
DDR2.DM0: U2.AL21 U42.F3 | length 1783
  L1_TOP w5: U2.AL21@8374.49,3600.79 v1(8394.17,3620.47) ; v4(9383.86,4503.94) U42.F3@9399.61,4519.68
  L3_S w3.8: v2(9066.99,4198.99) 9152.99,4284.99 9224.19,4284.99 cw(c9224.19,4280.59) 9228.59,4280.59 9228.59,4278.71 ccw(c9232.99,4278.71) 9232.99,4274.31 ccw(c9232.99,4278.71) 9237.39,4278.71 9237.39,4289.27 cw(c9241.79,4289.27) 9241.79,4293.67 cw(c9241.79,4289.27) 9246.19,4289.27 9246.19,4278.71 ccw(c9250.59,4278.71) 9250.59,4274.31 ccw(c9250.59,4278.71) 9254.99,4278.71 9254.99,4289.27 cw(c9259.39,4289.27) 9259.39,4293.67 cw(c9259.39,4289.27) 9263.79,4289.27 9263.79,4278.71 ccw(c9268.19,4278.71) 9268.19,4274.31 ccw(c9268.19,4278.71) 9272.59,4278.71 9272.59,4280.59 cw(c9276.99,4280.59) 9276.99,4284.99 9284.99,4284.99 9367.96,4367.96 9367.96,4488.04 v4(9383.86,4503.94)
  L12_S w3.8: v1(8394.17,3620.47) 8417.94,3644.24 8560.24,3644.24 8578.99,3662.99 8578.99,4056.99 8706.99,4184.99 9052.99,4184.99 v2(9066.99,4198.99)
DDR2.DM1: U2.AM18 U42.B3 | length 1849.9
  L1_TOP w5: U2.AM18@8413.86,3482.68 v1(8433.54,3502.36) ; v4(9257.87,4503.94) U42.B3@9273.62,4519.68
  L3_S w3.8: v2(8786.99,4040.99) 8956.69,4210.69 ccw(c8953.58,4213.81) 8956.69,4216.92 8955,4218.61 cw(c8958.11,4221.72) 8955,4224.83 cw(c8958.11,4221.72) 8961.22,4224.83 8966.03,4220.03 8973.83,4212.22 ccw(c8976.94,4215.34) 8980.05,4212.22 ccw(c8976.94,4215.34) 8980.05,4218.45 8967.45,4231.06 cw(c8970.56,4234.17) 8967.45,4237.28 cw(c8970.56,4234.17) 8973.67,4237.28 8978.47,4232.47 8986.28,4224.67 ccw(c8989.39,4227.78) 8992.5,4224.67 ccw(c8989.39,4227.78) 8992.5,4230.89 8984.7,4238.7 8979.89,4243.5 cw(c8983,4246.61) 8979.89,4249.72 cw(c8983,4246.61) 8986.11,4249.72 8998.72,4237.11 ccw(c9001.83,4240.23) 9004.95,4237.11 ccw(c9001.83,4240.23) 9004.95,4243.34 8997.14,4251.14 8992.34,4255.95 cw(c8995.45,4259.06) 8992.34,4262.17 cw(c8995.45,4259.06) 8998.56,4262.17 9011.17,4249.56 ccw(c9014.28,4252.67) 9017.39,4249.56 ccw(c9014.28,4252.67) 9017.39,4255.78 9012.7,4260.47 cw(c9015.81,4263.59) 9012.7,4266.7 9104.99,4358.99 9252.99,4358.99 9273.47,4379.47 9273.47,4389.79 cw(c9277.87,4389.79) 9277.87,4394.19 9292.77,4394.19 ccw(c9292.77,4398.59) 9297.17,4398.59 ccw(c9292.77,4398.59) 9292.77,4402.99 9270.07,4402.99 cw(c9270.07,4407.39) 9265.67,4407.39 cw(c9270.07,4407.39) 9270.07,4411.79 9292.77,4411.79 ccw(c9292.77,4416.19) 9297.17,4416.19 ccw(c9292.77,4416.19) 9292.77,4420.59 9277.87,4420.59 cw(c9277.87,4424.99) 9273.47,4424.99 9273.47,4488.34 v4(9257.87,4503.94)
  L12_S w3.8: v1(8433.54,3502.36) 8449.14,3486.76 8537.27,3486.76 8668.99,3618.49 8668.99,3922.99 v2(8786.99,4040.99)